# Altium PCB DM1097_R0M0E0.PcbDoc (part 4 of 7) (continued)
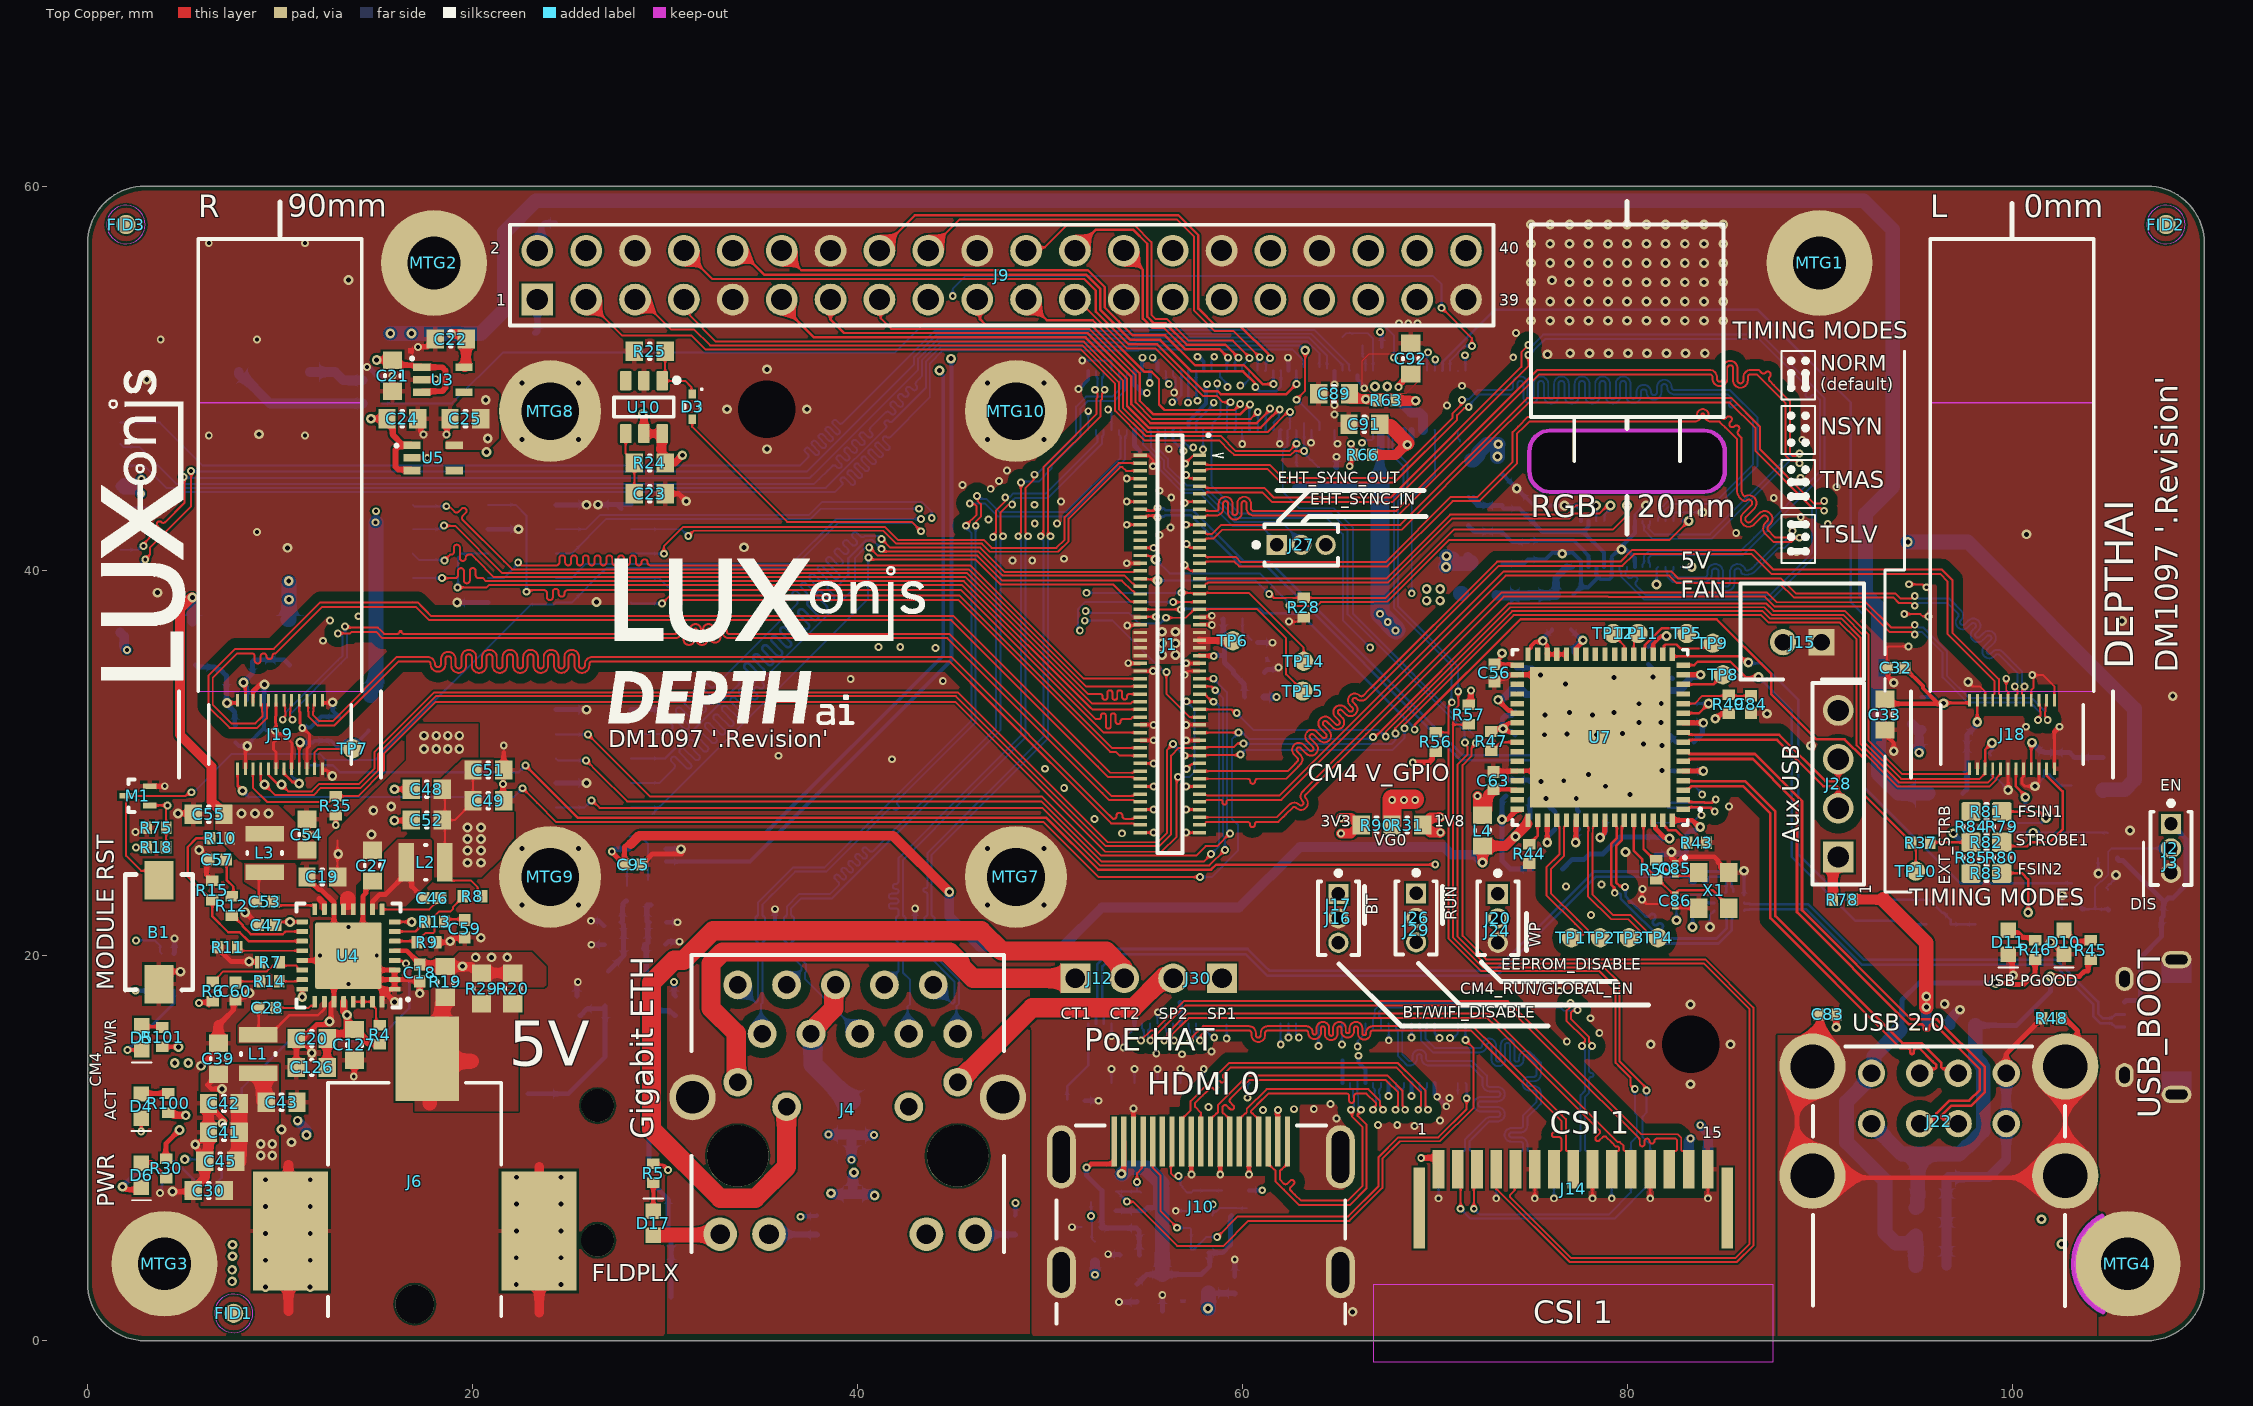
[diagram p0: Top Copper view]
## Nets (pads, with @x,y where several pads share a name; then routed paths per layer and width w, separated by ;. In a path a pad name is that pad's centre, name@x,y a point inside that pad or via, vN(x,y) a via of type N, cw(c..) or ccw(c..) an arc to the next point about the centre after c; other vN are vias at no path point) (continued)
  other v1: 57.357,8.636 68.959,11.159 67.048,11.214 68.054,11.214 70.269,11.441 64.904,11.547 61.077,11.986 62.682,12.029 63.719,12.043 54.343,12.064 58.245,12.141 64.587,12.304 70.769,12.609 70.13,12.675 76.865,15.555 78.555,15.991 78.104,16.757 76.483,18.169 78.13,22.123 80.797,23.47 76.82,23.598 78.664,23.698 53.746,26.365 52.324,27.102 85.3,27.758 50.749,28.727 21.59,28.931 49.759,29.718 41.798,30.216 35.898,30.394 21.628,30.923 100.725,31.901 44.442,34.277 39.654,34.379 44.059,35.989 41.097,36.04 42.233,36.053 12.244,36.37 12.604,37.422 14.072,37.643 48.07,40.549 49.091,40.541 50.731,40.632 88.794,40.97 55.698,41.862 85.667,41.968 8.802,42.03 56.28,42.253 90.426,42.434 49.218,42.469 50.381,42.469 46.809,42.678 89.022,42.803 49.2,43.439 50.582,43.599 87.617,43.787 56.312,43.815 55.694,44.164 46.929,44.265 90.884,44.353 45.47,44.46 47.358,44.671 89.007,44.839 47.775,45.215 17.653,45.872 89.097,46.812 6.302,47.03 11.302,47.03 64.795,48.133 70.633,48.589 64.795,48.616 64.795,49.098 71.414,49.618 59.902,49.632 74.082,51.099 3.802,52.03 8.802,52.03 74.234,52.363 68.143,52.865 68.626,52.865 69.109,52.865 6.302,57.03 11.302,57.03
  other v2: 65.737,1.5 9.25,2.787 11.568,2.787 22.277,2.914 24.595,2.914 9.252,4.181 11.57,4.181 22.279,4.308 24.597,4.308 9.254,5.576 11.572,5.576 22.281,5.703 24.599,5.703 101.539,6.309 9.256,6.971 11.574,6.971 22.283,7.098 24.601,7.098 9.257,8.365 11.576,8.365 22.284,8.492 24.603,8.492 10.6,10.314 10.074,10.97 7,11.3 83.3,13.325 81.225,15.4 85.375,15.4 97.3,17.2 83.3,17.475 96.5,17.5 15.96,17.605 20.437,20.94 22.573,22.633 25.507,22.633 46.773,22.633 49.707,22.633 79.922,25.4 22.573,25.567 25.507,25.567 46.773,25.567 49.707,25.567 106.125,26.51 80.158,28.392 75.528,29.064 76.706,29.096 77.984,29.425 81.821,30.928 89.555,30.919 80.859,31.009 78.4,31.484 76.885,31.518 79.765,31.547 80.614,32.128 78.197,32.518 87.267,32.581 77.008,32.643 79.31,32.643 80.618,33.096 81.773,33.106 108.35,33.49 79.314,34.466 105.721,37.404 26.441,38.379 3.633,38.868 76.628,40.893 79.707,41.113 10.388,41.2 34.112,41.224 100.756,41.902 74.266,44.277 35.3,46.325 22.573,46.833 25.507,46.833 46.773,46.833 49.707,46.833 8.908,47.1 33.225,48.4 37.375,48.4 22.573,49.767 25.507,49.767 46.773,49.767 49.707,49.767 3.076,49.939 35.3,50.475 75.869,51.254 77.039,51.308 78.039,51.308 79.039,51.308 80.039,51.308 81.039,51.308 82.039,51.308 83.039,51.308 84.039,51.308 75,53 76,53 77,53 78,53 79,53 80,53 81,53 82,53 83,53 84,53 85,53 75,54 76,54 77,54 78,54 79,54 80,54 81,54 82,54 83,54 84,54 85,54 75,55 77,55 78,55 79,55 80,55 81,55 82,55 83,55 84,55 85,55 76.1,55.1 13.566,55.117 75,56 76,56 77,56 78,56 79,56 80,56 81,56 82,56 83,56 84,56 85,56 75,57 76,57 77,57 78,57 79,57 80,57 81,57 82,57 83,57 84,57 85,57 75,58 76,58 77,58 78,58 79,58 80,58 81,58 82,58 83,58 84,58 85,58
GPIO0-27_VREF: C6.2 CM4.78 R31.1 R54.2 R55.2 R90.1 | length 32.5
  Top Copper w1: R31.1@67.78,26.797 67.78,28.13 v1@68.948,28.13
  Signal Layer 1 w1: v1@67.107,37.795 v1(67.564,37.338) 67.943,36.959 67.943,34.524 65.588,32.169 65.588,30.188 67.605,28.171 v1@69.146,28.171 ; v1@67.767,28.092 v1(67.793,28.092) v1(68.402,28.092) v1(68.986,28.092) 69.088,28.092 v1@69.157,28.161
  Bottom Copper w0.3: R55.2@62.728,44.329 62.778,44.329 62.907,44.457 C6.2@64.897,44.457 66.731,44.458 67.158,44.884
  Bottom Copper w0.381: 67.15,46.1 67.158,46.092 67.158,44.884 ; 67.2,46.25 CM4.78@67.2,47.32
  Bottom Copper w1: 67.158,44.884 v1(67.158,37.77) v1@67.996,36.932
  other v1: 67.97,36.906
GPIO0/MPGOOD: CM4.36
GPIO1/MRST: CM4.35 R18.1 | length 74.3
  Top Copper w0.102: v1(2.512,25.629) R18.1@3.078,25.629 R18.1@3.172,25.722
  Signal Layer 1 w0.102: v1(2.512,25.629) 3.15,26.267 3.15,32.012 6.444,35.306 30.675,35.306 47.236,51.867 55.804,51.867 56.54,51.13 56.54,50.419 57.734,49.225 58.911,49.225 v1(59.242,49.556)
  Bottom Copper w0.102: CM4.35@58.8,50.4 58.849,50.351 58.849,50.091 58.948,49.993 58.948,49.987 59.037,49.898 59.242,49.693 v1(59.242,49.556)
GPIO2/SDA1: CM4.58 J9.3 R54.1 | length 44.2
  Top Copper w0.102: J9.3@25.908,54.102 27.788,52.222 31.394,52.222 32.106,51.511 51.608,51.511 53.391,49.728 53.391,48.311 54.915,46.787 58.801,46.787 59.36,46.228 59.377,46.228 59.58,46.025 62.517,46.025 62.721,46.228 v1(63.221,46.228)
  Bottom Copper w0.102: 63.221,47.676 63.221,47.32 v1(63.221,46.228) 63.279,46.17 63.279,46.061 63.95,45.39 R54.1@63.983,45.39
GPIO3/SCL1: CM4.56 J9.5 R55.1 | length 40.5
  Top Copper w0.102: J9.5@28.448,54.102 28.759,54.102 30.308,52.553 31.508,52.553 32.346,51.714 51.692,51.714 53.594,49.812 53.594,48.395 54.974,47.015 58.877,47.015 59.665,46.228 62.433,46.228 62.738,46.533 v1@62.789,46.533 ; v1@62.789,46.609 v1(62.814,46.609)
  Bottom Copper w0.102: CM4.56@62.8,47.32 62.814,47.306 v1(62.814,46.609) 62.814,45.491 R55.1@62.865,45.441
GPIO4/GPIO_GCLK/CAM1_IO1: CM4.54 J9.7 J14.P4 | length 114.1
  Top Copper w0.102: J9.7@30.988,54.102 31.284,53.806 31.284,53.286 32.653,51.918 51.776,51.918 53.797,49.896 53.797,48.479 55.058,47.219 61.316,47.219 62.357,48.26 v1(62.484,48.26) ; v1(72.136,31.064) 72.136,31.019 71.907,30.79 71.907,30.37 71.45,29.913 71.45,21.031 72.671,19.81 84.059,19.81 86.563,17.305 86.563,4.945 85.708,4.089 77.013,4.089 73.254,7.849 73.2,7.849 J14.P4@73.2,8.9
  Bottom Copper w0.102: v1(62.484,48.26) 62.484,47.404 62.351,47.271 62.351,46.506 62.105,46.261 62.105,44.117 62.967,43.256 64.759,43.256 65.761,42.254 65.761,37.762 72.136,31.386 v1(72.136,31.064)
GPIO5/CAM1_IO0: CM4.34 J9.29 J14.P5 | length 86.5
  Top Copper w0.102: v1(71.577,31.09) 71.577,31.007 71.704,30.88 71.704,30.455 71.196,29.947 71.196,20.998 72.587,19.607 83.974,19.607 86.36,17.221 86.36,5.029 85.623,4.293 77.098,4.293 73.913,7.478 73.913,7.562 74.158,7.807 74.158,8.858 J14.P5@74.2,8.9
  Signal Layer 1 w0.102: v1(58.698,49.733) 58.699,49.784 58.903,49.987 58.903,53.975 J9.29@59.004,54.077
  Bottom Copper w0.102: v1@58.699,49.708 58.698,49.707 58.698,49.074 58.877,48.895 58.877,48.082 58.449,47.654 58.449,47.369 CM4.34@58.4,47.32 58.4,44.445 59.868,42.977 64.643,42.977 65.481,42.139 65.481,37.744 71.552,31.674 71.552,31.115 v1(71.577,31.09)
GPIO6: CM4.30 J9.31 | length 10.5
  Signal Layer 1 w0.127: v1(58.522,48.743) 58.826,48.743 59.22,49.136 60.427,49.136 60.566,48.997 61.443,48.997 62.001,49.555 62.001,53.569 J9.31@61.468,54.102
  Bottom Copper w0.127: CM4.30@57.6,47.32 57.6,47.752 58.522,48.674 v1(58.522,48.743)
GPIO7/SPI_CE1_N: CM4.37 J9.26 | length 9.9
  Top Copper w0.127: J9.26@53.848,56.642 54.838,55.652 54.838,53.112 55.316,52.634 55.921,52.634 57.031,51.524 58.823,51.524 59.258,51.089 v1@59.258,51.079
  Bottom Copper w0.127: CM4.37@59.216,50.384 CM4.37@59.2,50.4 59.2,51.021 v1@59.258,51.079
  other v1: 59.267,51.08
GPIO8/SPI_CE0_N: CM4.39 J9.24 | length 14.6
  Top Copper w0.127: J9.24@51.41,56.896 51.562,56.896 52.4,57.734 54.331,57.734 55.067,56.998 55.067,53.214 55.417,52.863 56.016,52.863 57.126,51.752 59.128,51.752 v1(59.8,51.08)
  Bottom Copper w0.127: CM4.39@59.6,50.4 CM4.39@59.6,50.4 59.637,50.437 59.637,50.899 v1@59.893,51.156
GPIO9/SPI_MISO: CM4.40 J9.21 | length 16.3
  Top Copper w0.127: J9.21@48.768,54.077 48.793,54.077 49.848,53.023 52.235,53.023 54.915,50.343 55.296,50.343 55.677,49.962 55.677,48.641 55.956,48.362 59.601,48.362 59.893,48.654 v1(59.893,48.666)
  Signal Layer 1 w0.127: J9.21@48.768,54.102 J9.21@49.059,53.811
  Bottom Copper w0.127: CM4.40@59.6,47.32 59.677,47.397 59.677,48.45 v1(59.893,48.666)
GPIO10/SPI_MOSI: CM4.44 J9.19 | length 19.5
  Top Copper w0.127: J9.19@46.228,54.102 46.367,53.963 46.367,53.087 46.66,52.794 52.139,52.794 54.674,50.259 54.674,48.842 55.383,48.133 59.893,48.133 v1(60.401,48.641)
  Bottom Copper w0.127: CM4.44@60.4,47.32 60.375,47.345 60.375,48.615 v1(60.401,48.641)
GPIO11/SPI_SCLK: CM4.38 J9.23 | length 11.8
  Top Copper w0.102: J9.23@51.308,54.102 51.461,54.102 54.001,51.562 55.489,51.562 56.769,50.282 57.953,49.098 58.669,49.098 58.999,48.768 v1(59.385,48.768)
  Bottom Copper w0.102: CM4.38@59.2,47.32 59.2,48.507 59.385,48.692 v1(59.385,48.768)
GPIO12/AUD_R: CM4.31 J9.32 U9.3 | length 58.2
  Signal Layer 1 w0.203: v2(44.863,51.029) 46.26,52.426 56.388,52.426 v1@57.595,51.218 ; v1(57.683,51.13) v1@57.595,51.218 ; J9.32@61.29,56.82 J9.32@61.417,56.82 ; J9.32@61.519,56.769 60.325,55.575 58.191,55.575 57.595,54.979 v1@57.595,51.218
  Bottom Copper w0.203: U9.3@30.048,24.892 34.417,24.892 44.887,35.362 44.887,51.004 v2(44.863,51.029) ; v1(57.683,51.13) 57.76,51.13 58,50.89 CM4.31@58,50.4
GPIO13/AUD_L: CM4.28 J9.33 U9.1 | length 63.1
  Signal Layer 1 w0.203: v2@44.298,50.444 44.323,50.419 45.187,50.419 46.889,52.121 56.083,52.121 58.136,50.068 ; v1(58.175,49.702) 58.141,49.736 58.141,51.324 57.9,51.564 57.9,54.853 58.267,55.22 62.789,55.22 63.906,54.102 J9.33@64.008,54.102
  Bottom Copper w0.203: U9.1@30.048,26.192 35.057,26.192 44.465,35.601 44.465,50.148 44.272,50.341 v2(44.272,50.419) ; CM4.28@57.202,47.569 57.202,47.778 58.115,48.692 58.115,49.643 v1(58.175,49.702)
GPIO14/TXD0: CM4.55 J9.8 | length 36.5
  Top Copper w0.127: J9.8@30.886,56.49 31.14,56.49 32.461,55.169 51.791,55.169 52.4,54.559 52.4,53.468 54.09,51.778 55.578,51.778 58.022,49.334 58.738,49.334 58.885,49.187 62.294,49.187 v1(62.814,49.708)
  Bottom Copper w0.127: CM4.55@62.8,50.4 62.807,50.393 62.807,49.715 v1(62.814,49.708)
GPIO15/RXD0: CM4.51 J9.10 | length 33.2
  Top Copper w0.127: J9.10@33.528,56.642 33.909,56.642 35.154,55.397 51.885,55.397 52.629,54.654 52.629,53.563 53.959,52.232 54.185,52.006 55.734,52.006 57.372,50.368 60.046,50.368 60.655,49.759 v1@60.655,49.555
  Bottom Copper w0.127: v1(60.681,49.555) 60.691,49.555 60.907,49.34 61.773,49.34 62.013,49.58 62.013,50.387 CM4.51@62,50.4
GPIO16: CM4.29 J9.36 | length 20
  Signal Layer 1 w0.127: v1(57.683,48.844) 57.683,48.895 57.374,49.204 57.044,49.204 56.807,48.967 56.807,48.59 57.747,47.65 59.963,47.65 59.976,47.638 60.471,47.638 60.483,47.65 62.719,47.65 63.5,48.432 63.5,50.578 65.253,52.331 65.253,55.347 J9.36@66.548,56.642
  Bottom Copper w0.127: CM4.29@57.6,50.4 57.6,49.149 57.63,49.119 57.63,48.898 v1(57.683,48.844)
GPIO17/GPI0_GEN0: CM4.50 J9.11 | length 31.2
  Top Copper w0.127: J9.11@36.068,54.102 36.068,53.81 37.744,52.133 51.865,52.133 54.013,49.986 54.013,48.569 55.134,47.447 60.96,47.447 61.582,48.069 61.595,48.069 61.913,48.387 v1(61.951,48.387)
  Bottom Copper w0.102: CM4.50@61.6,47.32 61.649,47.369 61.649,47.722 61.9,47.972 61.9,48.26 v1@62.001,48.362
GPIO18/GPI0_GEN1: CM4.49 J9.12 | length 29.8
  Top Copper w0.127: J9.12@36.093,56.566 36.144,56.566 37.084,55.626 51.98,55.626 52.857,54.749 52.857,53.692 53.586,52.963 54.315,52.235 55.997,52.235 57.546,50.687 60.083,50.687 61.062,49.708 v1(61.62,49.708)
  Bottom Copper w0.127: CM4.49@61.61,50.41 CM4.49@61.6,50.4 61.61,50.39 61.61,49.693 v1@61.646,49.657
GPIO19: CM4.26 J9.35 | length 15.4
  Signal Layer 1 w0.102: v1(57.455,46.406) 58.242,47.193 62.89,47.193 62.941,47.244 63.83,48.133 63.945,48.248 63.945,50.102 66.548,52.705 66.548,53.924 J9.35@66.523,53.95
  Bottom Copper w0.102: CM4.26@56.849,47.271 CM4.26@56.8,47.32 56.8,46.883 57.277,46.406 v1(57.455,46.406)
GPIO20: CM4.27 J9.38 | length 22.7
  Signal Layer 1 w0.127: v1@57.201,48.743 58.064,47.879 60.058,47.879 60.071,47.866 60.376,47.866 60.389,47.879 62.624,47.879 63.271,48.527 63.271,50.673 65.024,52.426 65.024,57.074 65.634,57.683 68.275,57.683 69.113,56.845 J9.38@69.113,56.49
  Bottom Copper w0.127: v1(57.175,48.743) 57.2,48.767 CM4.27@57.2,50.4
GPIO21: CM4.25 J9.40 | length 24.2
  Signal Layer 1 w0.127: v1@56.388,48.743 56.388,48.686 57.665,47.409 62.801,47.409 63.729,48.337 63.729,50.47 65.557,52.299 65.557,54.737 66.319,55.499 70.485,55.499 J9.40@71.628,56.642
  Bottom Copper w0.127: v1(56.363,48.768) 56.477,48.768 56.833,49.123 56.833,50.368 CM4.25@56.8,50.4
GPIO22/GPIO_GEN3: CM4.46 J9.15 | length 24.5
  Top Copper w0.102: J9.15@41.275,53.899 41.211,53.835 41.211,53.125 41.758,52.578 52.05,52.578 54.458,50.17 54.458,48.753 55.306,47.904 60.452,47.904 v1(60.808,48.26)
  Bottom Copper w0.102: CM4.46@60.8,47.32 60.809,47.329 60.809,48.258 v1(60.808,48.26)
GPIO23/GPIO_GEN4: CM4.47 J9.16 | length 27.3
  Top Copper w0.127: J9.16@41.148,56.642 42.99,58.484 56.681,58.484 57.722,57.443 57.722,53.632 58.649,52.705 59.919,52.705 61.359,51.265 61.359,51.223 61.451,51.13 v1(61.451,51.055)
  Bottom Copper w0.127: CM4.47@61.2,50.4 61.237,50.437 61.237,50.848 v1@61.519,51.13
GPIO24/GPIO_GEN5: CM4.45 J9.18 | length 23.9
  Top Copper w0.102: J9.18@43.688,56.642 45.314,58.268 56.591,58.268 57.506,57.353 57.506,53.518 58.547,52.476 59.538,52.476 v1(60.909,51.105)
  Bottom Copper w0.102: CM4.45@60.8,50.4 60.8,50.97 v1@60.985,51.156
GPIO25/GPIO_GEN6: CM4.41 J9.22 | length 18.1
  Top Copper w0.102: J9.22@48.768,56.642 48.933,56.807 49.745,56.807 50.889,57.95 54.42,57.95 55.283,57.088 55.283,53.303 55.507,53.079 56.105,53.079 57.216,51.968 59.512,51.968 60.376,51.105 v1@60.376,51.054
  Bottom Copper w0.102: CM4.41@60,50.4 60,50.65 60.148,50.798 60.148,50.813 60.363,51.029 v1@60.401,51.029
  other v1: 60.385,51.055
GPIO26: CM4.24 J9.37 | length 18.1
  Signal Layer 1 w0.127: v1@56.947,46.152 57.023,46.152 57.328,45.847 58.471,45.847 59.588,46.965 59.844,46.965 59.856,46.977 62.979,46.977 63.03,47.028 64.211,48.209 64.211,50.063 67.959,53.811 68.797,53.811 J9.37@69.088,54.102
  Bottom Copper w0.127: CM4.24@56.437,47.357 CM4.24@56.4,47.32 56.4,46.775 v1(56.947,46.228)
GPIO27/GPIO_GEN2: CM4.48 J9.13 | length 28.5
  Top Copper w0.127: J9.13@38.608,54.102 38.608,53.061 39.307,52.362 51.96,52.362 54.242,50.081 54.242,48.663 55.229,47.676 60.744,47.676 61.443,48.374 v1(61.443,48.438)
  Bottom Copper w0.127: CM4.48@61.2,47.32 61.227,47.347 61.227,48.069 61.443,48.285 v1(61.443,48.438)
H5V: C11.2 J10.18 Q3.1 R59.2 R60.2 U1.2 U2.5 | length 20.4
  Top Copper w0.254: v2(53.725,8.675) 53.85,8.8 J10.18@53.85,10.35
  Bottom Copper w0.254: R60.2@53.45,6.75 54.743,6.75 U2.5@54.762,6.731 ; C11.2@54.534,2.939 55.034,3.439 U1.2@55.848,3.439 57.871,3.439 58.31,3.878 58.31,4.522 R59.2@58.26,4.572 58.979,4.572 59.385,4.978 59.385,6.435 Q3.1@59.45,6.5 ; 54.886,8.687 55.479,8.095 55.479,6.923 55.081,6.923 U2.5@54.915,6.756
  Bottom Copper w0.762: v2@53.755,8.645 54.102,8.992 55.042,8.992 55.848,8.185 ; U1.2@55.848,3.439 55.848,7.88
HDMI_CEC: CM4.151 Q3.2 R26.1 | length 13.5
  Signal Layer 1 w0.102: v1(58.471,7.087) 58.471,7.144 58.316,7.299 58.316,8.898 58.649,9.23 58.649,12.04 v1(62.001,15.392)
  Bottom Copper w0.102: Q3.2@58.45,6.5 58.45,6.555 Q3.2@58.471,6.576 ; v1@58.471,7.061 Q3.2@58.471,6.576 ; R26.1@60.249,6.883 59.737,6.883 59.713,6.907 58.857,6.907 58.654,6.704 58.599,6.704 Q3.2@58.471,6.576 ; CM4.151@62,16.48 62,15.394 v1(62.001,15.392)
HDMI_CLK_N: CM4.190 J10.12 | length 18
  Top Copper w0.102: J10.12@56.85,10.835 56.85,11.51 57.321,11.981 57.321,12.45 58.342,13.47 58.347,13.47 59.305,14.429 68.095,14.429 68.962,13.562 69.514,13.009 69.514,12.212 69.654,12.072 v1(69.654,12)
  Bottom Copper w0.102: CM4.190@69.6,13.4 69.6,13.15 69.514,13.064 69.514,12.212 69.654,12.072 v1(69.654,12)
HDMI_CLK_P: CM4.188 J10.10 | length 17.8
  Top Copper w0.102: J10.10@57.85,10.93 57.85,11.85 57.55,12.15 57.55,12.355 57.555,12.355 57.869,12.669 57.938,12.738 57.958,12.758 57.971,12.771 58.095,12.895 58.311,13.111 cw(c58.401,13.021) 58.491,13.111 58.539,13.064 ccw(c58.629,13.154) 58.719,13.244 58.671,13.291 cw(c58.761,13.381) 58.851,13.471 58.873,13.45 ccw(c58.963,13.54) 59.053,13.63 59.031,13.651 cw(c59.121,13.741) 59.031,13.831 59.35,14.15 59.4,14.2 59.678,14.2 59.79,14.2 68,14.2 68.665,13.535 69.286,12.914 69.286,12.212 69.146,12.072 v1(69.146,12)
  Bottom Copper w0.102: v1(69.146,12) 69.146,12.072 69.286,12.212 69.286,13.064 69.2,13.15 CM4.188@69.2,13.4
HDMI_D0_N: CM4.184 J10.9 | length 15.2
  Top Copper w0.102: J10.9@58.35,10.35 58.35,11.51 58.642,11.802 58.676,11.802 58.736,11.862 58.736,12.245 60.261,13.77 67.553,13.77 67.762,13.562 68.329,12.995 68.329,12.212 68.468,12.072 v1(68.468,12)
  Bottom Copper w0.102: CM4.184@68.4,13.4 68.4,13.15 68.314,13.064 68.314,12.821 68.329,12.807 68.329,12.212 68.468,12.072 v1(68.468,12)
HDMI_D0_P: CM4.182 J10.7 | length 15.2
  Top Copper w0.102: J10.7@59.35,10.35 59.35,11.51 59.058,11.802 59.024,11.802 58.964,11.862 58.964,11.919 58.964,12.15 59.02,12.206 cw(c59.11,12.116) 59.2,12.206 59.365,12.041 ccw(c59.455,12.131) 59.545,12.221 59.38,12.386 cw(c59.47,12.476) 59.38,12.566 60.185,13.371 60.186,13.372 60.248,13.433 60.356,13.542 67.458,13.542 67.486,13.514 67.533,13.467 68.1,12.9 68.1,12.212 67.96,12.072 v1(67.96,12)
  Bottom Copper w0.102: v1(67.96,12) 67.96,12.072 68.1,12.212 68.1,12.712 68.086,12.727 68.086,13.064 68,13.15 CM4.182@68,13.4
HDMI_D1_N: CM4.178 J10.6 | length 11.5
  Top Copper w0.102: J10.6@59.85,10.35 59.85,11.51 60.142,11.802 60.176,11.802 60.236,11.862 60.236,12.041 61.263,13.068 66.55,13.068 67.168,12.45 67.168,12.212 67.308,12.072 v1(67.308,12)
  Bottom Copper w0.102: CM4.178@67.2,13.4 67.2,13.15 67.114,13.064 67.114,12.841 67.168,12.787 67.168,12.212 67.308,12.072 v1(67.308,12)
HDMI_D1_P: CM4.176 J10.4 | length 11.5
  Top Copper w0.102: J10.4@60.85,10.35 60.85,11.51 60.558,11.802 60.524,11.802 60.464,11.862 60.464,11.946 60.709,12.191 60.711,12.192 60.792,12.274 61.358,12.84 65.123,12.84 65.428,12.84 cw(c65.428,12.712) 65.556,12.712 65.556,12.483 ccw(c65.683,12.483) 65.683,12.356 ccw(c65.683,12.483) 65.81,12.483 65.81,12.712 cw(c65.938,12.712) 65.938,12.84 66.277,12.84 66.456,12.84 66.94,12.356 66.94,12.212 66.8,12.072 v1(66.8,12)
  Bottom Copper w0.102: v1(66.8,12) 66.8,12.072 66.94,12.212 66.94,12.693 66.886,12.747 66.886,13.064 66.8,13.15 CM4.176@66.8,13.4
HDMI_D2_N: CM4.172 J10.3 | length 14
  Top Copper w0.102: J10.3@61.35,10.35 61.35,9.19 61.642,8.898 61.676,8.898 61.736,8.838 61.736,8.271 62.16,7.847 62.961,7.046 65.578,7.046 66.467,7.934 66.467,11.21 65.998,11.678 65.998,11.748 66.168,11.918 v1(66.168,12)
  Bottom Copper w0.102: CM4.172@66,13.15 CM4.172@66,13.4 ; CM4.172@66,13.495 65.976,13.471 65.976,12.778 66.029,12.726 66.029,12.212 66.168,12.072 v1(66.168,12)
HDMI_D2_P: CM4.170 J10.1 | length 13.7
  Top Copper w0.102: J10.1@62.35,10.35 62.35,9.19 62.058,8.898 62.024,8.898 61.964,8.838 61.964,8.777 61.964,8.366 62.165,8.166 ccw(c62.255,8.256) 62.345,8.166 62.495,8.316 cw(c62.585,8.226) 62.675,8.136 62.52,7.981 ccw(c62.61,7.891) 62.483,7.891 62.483,7.847 62.741,7.59 63.055,7.275 65.484,7.275 66.238,8.029 66.238,11.115 65.709,11.644 65.709,11.952 v1(65.66,12)
  Bottom Copper w0.102: CM4.170@65.6,13.4 65.6,13.15 65.695,13.055 65.748,13.055 65.748,12.683 65.8,12.631 65.8,12.212 65.66,12.072 v1(65.66,12)
HDMI_HPD: J10.19 Q4.1 R61.2 U2.6 | length 9.5
  Top Copper w0.254: v1(51.9,9) 51.969,9 52.146,9.177 53.337,9.177 53.35,9.19 J10.19@53.35,10.35
  Bottom Copper w0.254: v1(51.9,9) 51.9,8.6 52.705,7.795 52.705,5.955 Q4.1@52.65,5.9 52.7,5.85 54.5,5.85 54.65,5.7 54.65,4.47 54.675,4.445 R61.2@54.65,4.445
HDMI_HPD_N_1V8: CM4.153 Q4.3 R27.1 | length 20.6
  Signal Layer 1 w0.102: v1(52.146,6.477) 52.205,6.419 52.334,6.419 52.358,6.394 57.344,6.394 58.113,7.163 58.113,8.982 58.445,9.315 58.445,11.438 57.889,11.994 57.889,12.288 58.097,12.497 58.42,12.497 61.682,15.759 v1(62.4,15.759)
  Bottom Copper w0.102: v1(52.146,6.477) 52.184,6.439 52.184,5.296 52.33,5.15 R27.1@52.35,5.15 ; v1@52.15,6.477 Q4.3@52.15,7.2 ; v1@62.397,15.759 v1(62.4,15.759) CM4.153@62.4,16.48
HDMI_SCL: CM4.200 J10.15 R59.1 U2.3 | length 26.5
  Top Copper w0.102: J10.15@55.35,10.35 55.35,8.988 55.755,8.584 55.755,6.729 56.591,5.893 56.591,5.867 v1(56.617,5.867) ; v1(58.699,5.385) 59.771,6.457 65.512,6.457 67.081,8.026 67.081,9.533 68.115,10.566 70.19,10.566 71.664,12.04 v1(71.664,12.598)
  Bottom Copper w0.102: v1(56.617,5.867) 57.283,5.867 U2.3@57.35,5.8 57.35,4.732 R59.1@57.467,4.732 ; R59.1@57.469,4.73 58.123,5.385 v1(58.699,5.385) ; CM4.200@71.6,13.4 71.664,13.336 v1(71.664,12.598)
HDMI_SDA: CM4.199 J10.16 R60.1 U2.4 | length 32.2
  Top Copper w0.102: v1(54.004,7.23) 54.02,7.214 54.331,7.214 56.617,4.928 59.03,4.928 60.325,6.223 65.565,6.223 67.285,7.942 67.285,9.449 68.199,10.363 70.275,10.363 72.019,12.108 72.019,15.199 v1(71.6,15.618) ; v1(54.534,8.255) 54.534,8.712 54.785,8.963 54.785,10.285 J10.16@54.85,10.35
  Bottom Copper w0.102: R60.1@53.45,7.75 R60.1@53.5,7.75 ; v1@54.026,7.224 R60.1@53.5,7.75 ; v1(54.534,8.255) 54.534,7.784 U2.4@54.5,7.75 ; U2.4@54.75,7.7 54.7,7.75 U2.4@54.5,7.75 ; v1(71.6,15.618) CM4.199@71.6,16.48 ; R60.1@53.5,7.75 U2.4@54.5,7.75
I2C1_SCL: J1.35 J11.20 | length 24.1
  Top Copper w0.102: J1.35@57.78,39.2 58.04,39.2 58.079,39.239 58.079,39.298 58.139,39.357 58.193,39.357 58.226,39.39 67.559,39.39 70.89,42.721 77.003,42.721 77.262,42.981 78.557,42.981 78.903,43.327 79.064,43.327 v2(79.137,43.4)
  Bottom Copper w0.102: J11.20@78.8,42.6 78.836,42.636 78.836,42.936 79.137,43.237 v2(79.137,43.4)
I2C1_SDA: J1.33 J11.19 | length 23
  Top Copper w0.102: J1.33@57.78,39.6 67.481,39.6 70.806,42.925 76.883,42.925 77.358,43.4 v2(78.383,43.4)
  Bottom Copper w0.102: v2(78.383,43.4) 78.383,42.617 J11.19@78.4,42.6
I2C2_SCL: J1.77 J18.21 J19.21 | length 112.3
  Top Copper w0.102: v2(9.2,28.9) 9.754,28.346 11.746,28.346 12.127,28.727 14.196,28.727 15.103,29.635 15.103,30.5 18.094,33.49 45.123,33.49 52.916,25.697 55.684,25.697 56.303,26.316 56.303,30.403 56.7,30.8 J1.77@57.78,30.8 57.78,30.79 57.829,30.839 59.567,30.839 59.766,31.039 v1(60.071,31.039) ; v1(67.966,31.556) 67.945,31.578 67.945,31.835 74.02,37.91 87.048,37.91 87.442,37.516 91.143,37.516 92.126,36.533 92.126,31.021 94.153,28.994 98.743,28.994 99,29.252 J18.21@99,29.725
  Top Copper w0.127: J19.21@9,29.86 9,29.1 v2(9.2,28.9)
  Bottom Copper w0.102: v1(60.071,31.039) 60.096,31.013 67.772,31.013 67.861,31.102 ; 67.859,31.105 67.954,31.201 67.954,31.544 v1(67.966,31.556)
I2C2_SDA: J1.79 J18.20 J19.20 | length 112.4
  Top Copper w0.102: J19.20@9.4,29.4 J19.20@9.4,29.725 ; v2(10.075,28.9) 10.425,28.55 11.662,28.55 12.043,28.931 14.112,28.931 14.9,29.719 14.9,30.584 18.009,33.694 45.207,33.694 53,25.9 55.6,25.9 56.1,26.4 56.1,30.703 v1(56.397,31) ; v1(56.997,30.4) J1.79@57.78,30.4 57.807,30.427 59.866,30.427 v1@59.893,30.455 ; v1(68.434,31.82) 68.44,31.827 68.44,32.042 74.104,37.706 86.964,37.706 87.358,37.313 91.059,37.313 91.923,36.448 91.923,30.937 94.069,28.791 98.827,28.791 99.203,29.167 99.203,29.252 99.376,29.424 99.376,29.701 J18.20@99.4,29.725
  Top Copper w0.127: J19.20@9.4,29.4 9.827,28.973 10.002,28.973 v2(10.075,28.9)
  Bottom Copper w0.102: v1(56.397,31) v1(56.997,30.4) ; v1(59.919,30.455) 60.147,30.683 67.793,30.683 68.434,31.324 v1(68.434,31.82)
I2C3_SCL: J1.78 J5.2 | length 29.9
  Top Copper w0.102: v1(29.845,38.303) 30.254,38.712 45.312,38.712 53.224,30.8 J1.78@54.7,30.8
  Bottom Copper w0.102: J5.2@28.239,38.354 28.29,38.303 v1(29.845,38.303)
I2C3_SDA: J1.80 J5.4 | length 30.6
  Top Copper w0.102: v1(30.709,38.303) 30.905,38.5 45.237,38.5 53.14,30.597 53.427,30.597 53.624,30.4 J1.80@54.7,30.4
  Bottom Copper w0.102: J5.4@28.239,39.624 29.718,39.624 30.683,38.659 30.683,38.329 v1(30.709,38.303)
LX1: C28.2 L1.1 U4.26 | length 5.7
  Top Copper w0.127: L1.1@8.872,15.899 9.472,15.899 10.474,16.9 11.965,16.9 12.305,17.24 U4.26@12.305,17.612 ; L1.1@8.886,15.937 C28.2@8.886,17.297
LX2: C46.2 L2.1 U4.10 | length 4.9
  Top Copper w0.254: U4.10@14.805,22.412 14.805,22.805 15.19,23.19 15.49,23.19 16.811,24.511 16.844,24.478 16.844,23.606 C46.2@17.45,23
LX3: C53.2 L3.1 U4.15 | length 2.3
  Top Copper w0.127: C53.2@8.753,22.815 8.908,22.97 8.908,24.023 L3.1@9.203,24.318
  Top Copper w0.3: 12.04,22.962 12.28,22.721 12.28,22.437 U4.15@12.305,22.412
MIPI_RX2_C_N: J1.95 J18.11 | length 54.3
  Top Copper w0.102: J1.95@57.78,27.2 61.799,27.2 61.995,27.396 62.111,27.512 ; 62.112,27.513 62.452,27.853 cw(c62.705,27.602) 62.957,27.853 62.963,27.848 ccw(c63.054,27.937) 63.143,28.027 ; 63.143,28.028 63.137,28.033 cw(c63.388,28.286) 63.137,28.538 63.321,28.723 ; 63.322,28.723 63.439,28.84 73.486,38.887 79.114,38.887 79.118,38.884 82.946,38.884 82.95,38.887 87.256,38.887 87.772,38.372 92.408,38.372 93.721,37.059 94.752,37.059 94.892,37.199 v1(94.947,37.199) ; J18.11@101.8,33.14 101.736,33.076 101.736,32.692 101.715,32.671 101.715,32.472 101.854,32.333 v1(101.854,32.26)
  Bottom Copper w0.102: v1(94.947,37.199) 95.019,37.199 95.159,37.059 95.397,37.059 96.618,35.838 96.618,34.557 97.78,33.396 101.029,33.396 101.714,32.71 101.714,32.472 101.854,32.332 v1(101.854,32.26)
MIPI_RX2_C_P: J1.97 J18.10 | length 54.3
  Top Copper w0.102: J1.97@57.78,26.8 58.04,26.8 58.079,26.839 58.079,26.898 58.139,26.958 58.367,26.958 59.969,26.958 60.275,26.958 cw(c60.275,26.83) 60.402,26.83 60.402,26.811 ccw(c60.529,26.811) 60.529,26.684 ccw(c60.529,26.811) 60.657,26.811 60.657,26.83 cw(c60.784,26.83) 60.784,26.958 61.88,26.958 62.136,27.214 62.156,27.234 62.273,27.35 ; 62.273,27.351 62.614,27.692 cw(c62.705,27.602) 62.795,27.692 62.802,27.685 ccw(c63.054,27.937) 63.339,28.15 63.339,28.155 63.298,28.195 cw(c63.388,28.286) 63.298,28.376 ; 63.299,28.376 63.483,28.561 63.6,28.678 66.438,31.516 73.581,38.659 79.019,38.659 79.023,38.655 83.041,38.655 83.044,38.659 87.161,38.659 87.677,38.143 92.313,38.143 93.626,36.83 94.562,36.83 94.752,36.83 94.892,36.691 v1(94.947,36.691) ; v1(101.346,32.26) 101.346,32.357 101.485,32.495 101.485,32.671 101.464,32.692 101.464,33.076 J18.10@101.4,33.14
  Bottom Copper w0.102: v1(94.947,36.691) 95.019,36.691 95.159,36.83 95.303,36.83 96.39,35.743 96.39,34.462 97.685,33.167 98.6,33.167 100.934,33.167 101.486,32.616 101.486,32.472 101.346,32.332 v1(101.346,32.26)